# Altium PCB LimePSB-RPCM_1v2.PcbDoc (part 8 of 10) (continued)
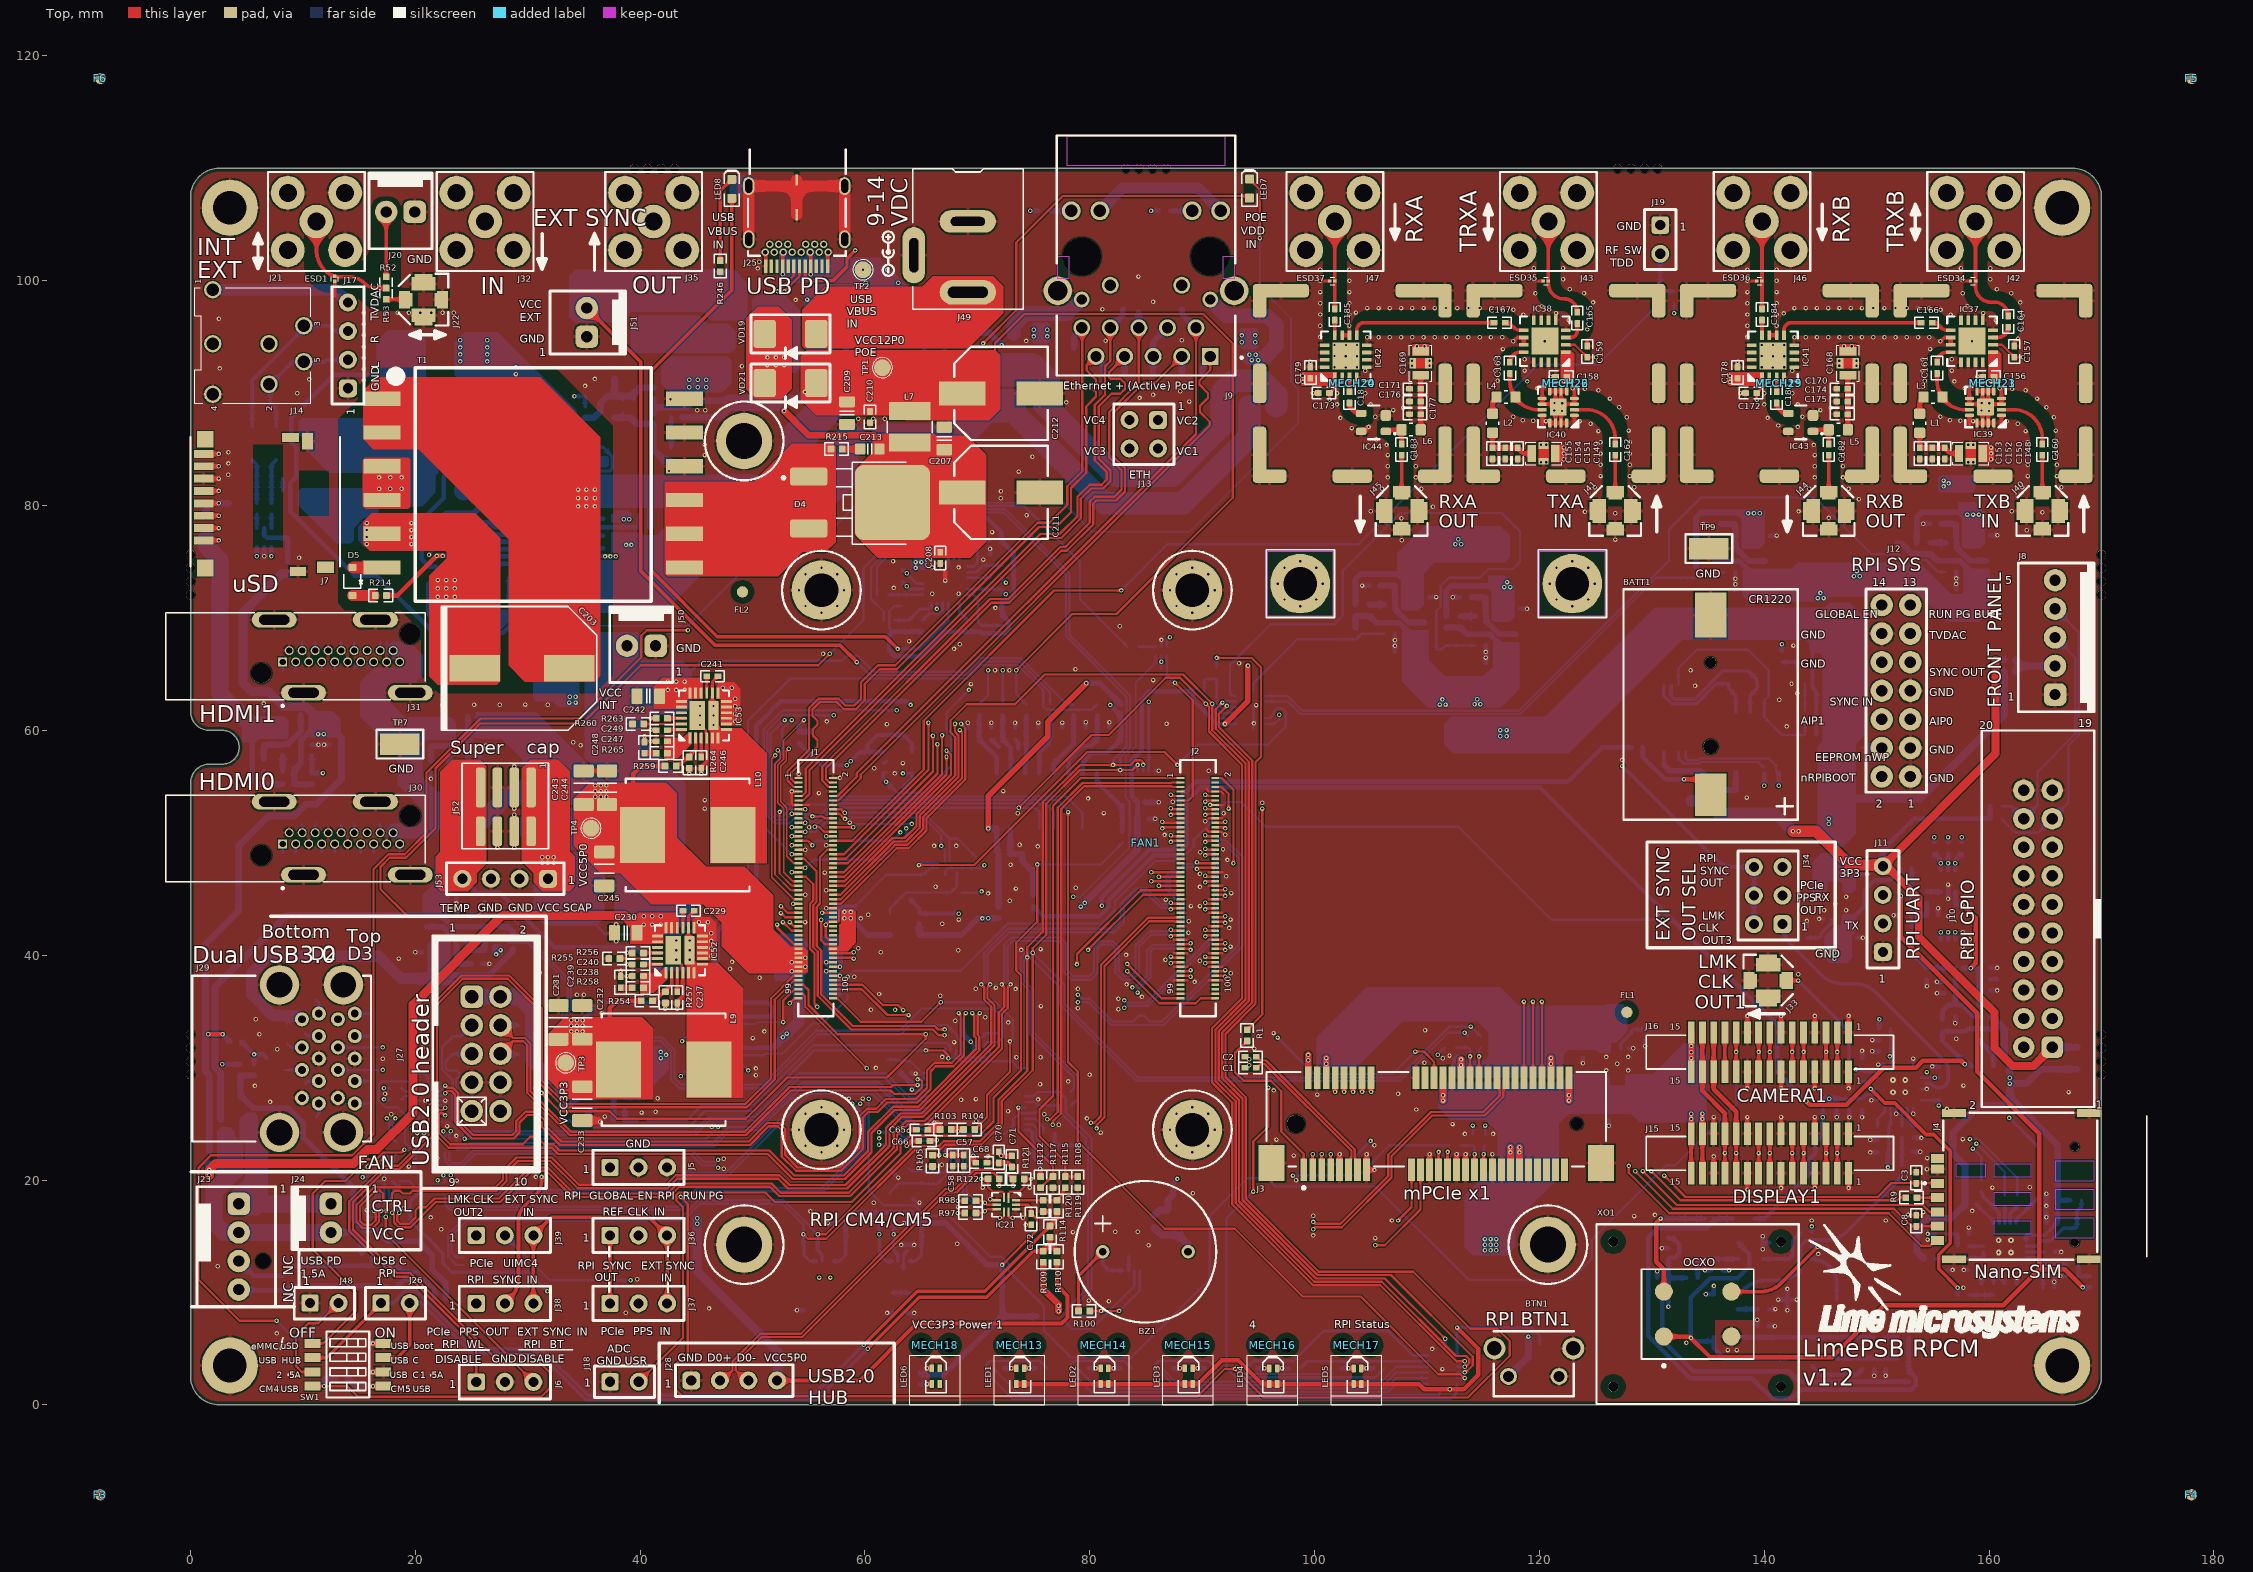
[diagram p0: Top view]
## Nets (pads, with @x,y where several pads share a name; then routed paths per layer and width w, separated by ;. In a path a pad name is that pad's centre, name@x,y a point inside that pad or via, vN(x,y) a via of type N, cw(c..) or ccw(c..) an arc to the next point about the centre after c; other vN are vias at no path point) (continued)
  Bottom w0.6: FR7.1@154.2,13 153.575,13.625 153.575,15.625 154.55,16.6 156.624,16.6 R168.2@157.864,17.84 157.864,21.311 156.8,22.375 156.8,24.25 159.175,26.625 161.1,26.625 161.85,27.375 ; FR8.2@160.199,34.574 161.375,33.398 161.375,30.838 161.85,30.363 v1(161.85,29.106) v1(161.85,28.581) ; C122.2@166.1,18.2 166.1,23.125 161.85,27.375 ; FR15.2@167.85,29.85 164.6,29.85 163.331,28.581 v1(161.85,28.581) ; 161.85,27.375 v1(161.85,28.581)
VCC3P3_LMK: C105.2 C106.2 C107.2 C108.2 FR5.2 IC31.8 IC31.23 R147.2 | length 19
  L3 w0.5: v1(151,21.125) 151,23.025 150.475,23.55 150.475,29.625 151.175,30.325 v1(151.175,31)
  Bottom w0.25: C106.2@151.075,22.45 C107.2@151.075,23.575 R147.2@151.075,24.75 151.25,24.925 IC31.23@151.25,26.425 ; IC31.8@151.25,30.275 151.25,31 C108.2@151.25,31.45 C105.2@151.25,32.45 FR5.2@151.25,33.5
  Bottom w0.4: v1(151,21.125) C106.2@151,22.45
VCC3P3_LMK_VDDO: C112.2 C113.2 C114.2 C115.2 C116.2 C117.2 FR6.2 IC31.2 IC31.6 IC31.14 IC31.18 | length 25.6
  L3 w0.5: v1(145.787,27.225) 145.787,27.487 v1(148.15,29.85) 149.124,30.824 149.874,30.824 150.65,31.6 151.425,31.6 154.25,28.775 154.849,28.775 ; v1(155.175,29.101) 154.849,28.775 ; v1(155.525,26.626) 155.525,28.099 154.849,28.775
  Bottom w0.25: C112.2@146.45,27.225 C113.2@147.575,27.225 C115.2@148.7,27.225 148.7,27.275 148.825,27.4 148.875,27.4 149.075,27.6 IC31.2@150.075,27.6 ; C117.2@148.825,29.675 148.896,29.675 148.971,29.6 IC31.6@150.075,29.6 ; IC31.18@153.925,27.1 C116.2@155.6,27.1 ; IC31.14@153.925,29.1 C114.2@155.575,29.1
  Bottom w0.4: v1(148.15,29.85) C117.2@148.625,29.85 ; v1(155.525,26.626) C116.2@155.525,27.1
  Bottom w0.6: FR6.2@145.275,27.225 145.862,27.225 C112.2@146.45,27.225
VCC3P3_RPI: C7.2 J1.84 J1.86 R6.1 | length 1.2
  Top w0.2: v1(56.555,39.375) J1.84@57.165,39.375 ; J1.86@57.165,38.975 v1(57.775,38.975)
VCC3P3_SD: C21.1 FR1.2 IC6.6 R20.1 R24.2 | length 28.2
  Bottom w0.5: 5.012,59.675 IC6.6@8.2,59.675 ; 5.485,59.373 5.485,55.673 5.945,55.213 R20.1@8.2,55.213
  Bottom w1.5: FR1.2@1.375,77.05 1.375,76.425 2.625,75.175 2.625,63.225 5.5,60.35
VCC3P3A: C32.2 C38.2 C39.2 FR3.2 IC8.16 R45.2 R46.1 | length 28.2
  Top w0.5: v1(70.963,51.277) 70.963,54.15 76.25,59.437 76.25,60.75 v1(79.686,64.186)
  Bottom w0.5: v1(70.963,51.277) IC8.16@71.713,51.277 71.713,49.173 R45.2@71.876,49.01 C32.2@71.876,45.46 FR3.2@71.876,44.285 ; v1(79.686,64.186) 80.9,64.186 R46.1@82.751,62.335
VCC5P0: C4.2 C5.2 C19.1 C55.1 C75.1 C78.2 C80.1 C83.2 C84.1 C88.2 C243.2 C244.2 C245.2 FR9.1 FR10.1 FR14.1 IC5.1 IC5.5 IC19.1 IC19.5 IC24.1 IC25.1 IC28.1 J1.77 J1.79 J1.81 J1.83 J1.85 J1.87 J10.2 J10.4 J28.4 L10.2 R17.1 R77.1 R90.2 R91.2 R110.2 R125.2 R126.2 R133.2 R134.2 R140.2 R141.2 R143.1 R259.2 TP4.1 VD9.A | length 256.7
  Top w0.2: 38.05,49.175 38.05,52.95 ; v1(53.475,38.575) J1.87@54.085,38.575 ; v1(53.475,39.375) J1.83@54.085,39.375 ; J1.85@54.085,38.975 v1(54.695,38.975) ; J1.81@54.085,39.775 v1(54.695,39.775)
  Top w0.35: J28.4@52.173,1.938 52.398,2.163 59.538,2.163 64.6,7.225 77.5,7.225 78.025,7.75 78.025,9.7 77.075,10.65 R110.2@77.075,12.675
  Top w0.4: 39.4,54.95 39.4,56.15 40.073,56.823 42.209,56.823 R259.2@42.223,56.823 ; 54.085,38.675 J1.83@54.085,39.375 J1.81@54.085,39.775 54.085,40.45
  Top w0.7: C243.2@35.175,53.4 35.188,53.388 37.287,53.388 37.3,53.375 37.625,53.375 38.05,52.95 38.15,52.85 38.55,52.85 40.2,51.2 L10.2@40.2,50.7
  L3 w0.8: v1(45.075,16.1) v1(45.075,16.6) 45.075,26.625 49.775,31.325 51.35,31.325 v1(53.05,33.025) ; v1(145.75,52.15) v1(145.75,51.7) 145.75,47.925 148,45.675 148,40.175 151.15,37.025 152.625,37.025 154.275,35.375 158.2,35.375 159.125,34.45 162.99,34.45 J10.4@163.08,34.36 J10.2@163.08,31.82
  L4 w1.7: v1@42.2,31.1 45.55,31.1 53.825,39.375 54.2,39.375
  Bottom w0.3: C55.1@144.285,67.55 IC19.5@144.285,66.08 IC19.1@144.285,64.15 144.285,63.83 144.625,63.49 R91.2@144.625,62.8 R90.2@144.625,59.6
  Bottom w0.35: IC5.5@48.06,31.76 C19.1@51.8,31.76
  Bottom w0.5: C83.2@21.01,43.53 IC25.1@22.708,43.53 ; C80.1@22.71,45.115 22.71,43.13 22.719,43.13 23.309,42.54 26.743,42.54 27.158,42.955 ; R141.2@25.675,55.338 25.45,55.113 R140.2@24.075,55.113 R143.1@24.075,56.338 24.685,56.948 24.685,58.974 25.275,59.564 25.275,59.573 C84.1@27.26,59.573 ; IC28.1@25.675,59.575 C88.2@25.675,61.273 ; R134.2@27.158,43.53 27.158,42.955 ; R133.2@28.683,41.58 28.683,42.105 28.258,42.53 27.583,42.53 27.158,42.955 ; R126.2@37.625,25.329 37.625,27.676 38.225,28.276 38.225,28.285 C75.1@40.21,28.285 ; IC24.1@38.625,28.287 C78.2@38.625,29.985
  Bottom w0.6: R77.1@2.675,25.375 2.675,29.525 2.175,30.025 2.175,37.175 8.53,43.53 C83.2@21.01,43.53 ; C19.1@51.8,31.76 v1@52.8,32.76
  Bottom w0.7: 147.575,53.95 153.889,53.95 161.332,61.393 R17.1@161.332,65.182
  Bottom w0.8: v1(45.075,16.6) v1(45.075,16.1) 45.075,11.9 52.243,4.732 J28.4@52.243,2.232
  Bottom w1: v1@52.8,32.76 54.1,34.06 54.1,38.525
  Bottom w1.5: 22.3,45.525 22.4,45.625 22.4,48.375 28.175,54.15 30.025,54.15 31.575,55.7
  other v1: 41.825,30.85 42.3,31.125 41.825,31.4 52.7,32.7 36,54.1 36.5,54.1 37,54.1 36,54.6 36.5,54.6 37,54.6 36,55.1 36.5,55.1 37,55.1 116.525,59.475 117.075,59.475 116.525,60.025 117.075,60.025
VCC5P0_HDMI: C85.1 C86.1 C87.1 IC28.6 J30.18 J31.18 R140.1 R142.2 | length 9.4
  Bottom w0.5: 19.887,59.575 IC28.6@23.075,59.575 ; 20.36,59.273 20.36,55.573 20.82,55.113
  Bottom w0.6: 21.787,53.825 R140.1@23.075,55.113
VCC5P0_RFA: C158.1 C179.1 C188.1 C189.1 C196.2 C197.2 C198.2 C200.1 FR9.2 IC38.1 IC42.1 IC47.1 IC48.1 R189.2 R190.2 R193.1 R194.1 R207.1 R208.1 | length 99.9
  Top w0.325: C179.1@99.625,91.328 99.712,91.415 IC42.1@101.8,91.415
  L3 w2: 98.425,91.075 98.425,83.125 105.7,75.85 105.7,66.975 110.175,62.5 111.4,62.5 ; 114.475,62.55 120.25,62.55 129.975,72.275 129.975,88.7 126.9,91.775 122.55,91.775
  Bottom w0.5: R194.1@103.65,69.1 cw(c103.679,69.129) 103.638,69.129 R190.2@103.638,70.2 R208.1@104.863,70.2 105.473,69.59 107.499,69.59 108.089,69 108.098,69 C189.1@108.098,67.015 ; IC48.1@108.1,68.6 C197.2@109.798,68.6 ; R189.2@111.715,69.16 R207.1@112.94,69.16 113.55,68.55 115.576,68.55 116.166,67.96 116.175,67.96 C188.1@116.175,65.975 ; IC47.1@116.177,67.56 C196.2@117.875,67.56
  other v1: 111.125,62.3 111.65,62.3 114.225,62.325 114.75,62.325 111.375,62.75 114.475,62.775 98.95,91 122.215,91.05 122.765,91.05 98.95,91.55
VCC5P0_RFB: C156.1 C178.1 C186.1 C187.1 C194.2 C195.2 C199.2 C201.1 FR10.2 IC37.1 IC41.1 IC45.1 IC46.1 R187.2 R188.2 R191.1 R192.1 R205.1 R206.1 | length 86.9
  Top w0.325: C178.1@137.625,91.328 137.712,91.415 IC41.1@139.8,91.415
  L3 w2: 136.425,91.075 136.425,76.525 140.975,71.975 145.025,71.975 ; 148.25,73.9 148.375,74.025 150.2,75.85 163.85,75.85 167.975,79.975 167.975,87.875 164.1,91.75 160.55,91.75
  Bottom w0.5: R192.1@133.925,74.575 R188.2@133.925,75.673 R206.1@135.15,75.673 135.76,75.062 137.786,75.062 138.376,74.472 138.385,74.472 C187.1@138.385,72.488 ; IC46.1@138.387,74.072 C195.2@140.085,74.072 ; R191.1@151.85,76.7 151.9,76.65 152.225,76.65 153.125,75.75 153.513,75.75 R187.2@153.563,75.7 R205.1@154.788,75.7 155.398,75.09 157.424,75.09 158.014,74.5 158.023,74.5 C186.1@158.023,72.515 ; IC45.1@158.025,74.1 C194.2@159.723,74.1
  other v1: 144.75,71.775 145.275,71.775 145,72.225 147.975,73.725 148.5,73.725 148.225,74.175 136.95,91 160.215,91.05 160.765,91.05 136.95,91.55
VCC5P0_RXA_LNA: C169.1 C193.1 IC48.6 R190.1 R196.1 R199.2 | length 26.6
  L3 w2: 111.775,93.175 112.775,92.175 112.775,76.75
  Bottom w0.5: R190.1@103.638,71.2 103.638,73.455 104.098,73.915 107.798,73.915 ; IC48.6@108.1,71.2 108.1,74.388
  other v1: 112.525,76.55 113.05,76.55 112.775,77 109.1,94.175 109.78,94.175
VCC5P0_RXB_LNA: C168.1 C191.1 IC46.6 R188.1 R195.1 R198.2 | length 42.6
  L3 w2: v1(139.085,79.325) 139.085,77.415 140.475,76.025 145.825,76.025 150.775,80.975 ; 149.775,93.175 150.775,92.175 150.775,80.975 ; 155.825,81.975 154.825,81.975 153.825,80.975 150.775,80.975
  Bottom w0.5: R188.1@133.925,76.672 133.925,78.928 134.385,79.387 138.085,79.387 ; IC46.6@138.387,76.672 R198.2@138.387,78.36
  other v1: 138.56,79.325 139.61,79.325 155.95,81.7 156.4,81.975 155.95,82.225 147.1,94.175 147.78,94.175
VCC5P0_TXA_PA: C149.1 C192.1 IC47.6 R189.1 R196.2 R200.2 | length 24.1
  L3 w2: 117.15,72.925 117.15,76.475 122.175,81.5 v1(122.175,84.112) v1(122.175,84.637) v1(122.175,85.162)
  Bottom w0.5: R189.1@111.715,70.16 111.715,72.415 112.175,72.875 115.875,72.875 ; IC47.6@116.177,70.16 R196.2@116.177,73.348
  other v1: 116.875,72.75 117.4,72.75 117.125,73.2
VCC5P0_TXB_PA: C148.1 C190.1 IC45.6 R187.1 R195.2 R197.2 | length 16.2
  L3 w2: 158.575,79.425 158.575,80.3 160.175,81.9 v1(160.175,84.112) v1(160.175,84.637) v1(160.175,85.162)
  Bottom w0.5: R187.1@153.563,76.7 153.563,78.955 154.023,79.415 157.723,79.415 ; IC45.6@158.025,76.7 R197.2@158.025,78.388 R195.2@158.025,79.888
  other v1: 158.05,79.2 158.575,79.2 159.1,79.2
VCC5P0_USBH: C74.2 C76.1 C77.2 IC24.6 J27.1 J27.2 R125.1 R128.2 | length 13.7
  Bottom w1.2: J27.1@25.029,36.311 29.039,36.311 30.35,35 30.35,30.65 31.85,29.15 C74.2@33.175,29.15
VCC5P0_USBS: C79.2 C81.1 C82.2 IC25.6 J29.1 J29.10 R133.1 R136.2 | length 40.6
  L3 w0.7: J29.1@9.91,34.3 9.91,35.11 10.825,36.025 11.824,36.025 13.005,34.844 13.005,34.405 J29.10@13.11,34.3
  Bottom w0.5: C82.2@22.708,37.742 IC25.6@22.708,40.93 ; 23.01,38.215 26.543,38.215 28.683,40.355 R133.1@28.683,40.58
  Bottom w1: J29.1@9.91,34.3 9.842,34.3 9.548,34.594 7.931,34.594 7.875,34.65 7.307,34.65 5.45,36.507 5.45,38.4 6.95,39.9 16.75,39.9 18.725,37.925 C82.2@22,37.925
VCC12P0_POE: C209.2 C210.1 C212.1 L7.2 R56.1 R226.1 R227.1 TP1.1 VD21.A | length 82.5
  Top w0.2: 71.575,93.325 71.575,94.45 74.175,97.05 90.1,97.05 92.725,94.425 92.725,80.7 82.375,70.35 78.45,70.35 v1(73.45,65.35)
  Bottom w0.2: v1(73.45,65.35) 73.45,63.236 R56.1@74.351,62.335
  Bottom w0.6: R226.1@41.155,88.247 41.155,88.747 ; R227.1@41.155,89.47 41.155,88.747 ; v1(54.663,90.113) 54.15,89.6 47.8,89.6 47.525,89.325 44.73,89.325 44.153,88.747 41.155,88.747
VCC12P0_POE_DIV: C43.1 IC8.3 R56.2 R62.2 | length 5.2
  Bottom w0.4: IC8.3@74.253,56.177 74.253,57.158 74.351,57.256 C43.1@74.351,59.185 R62.2@74.351,60.235 R56.2@74.351,61.335
VCC_BARREL: J49.1 R54.1 VD19.A | length 40.5
  L4 w0.2: J49.1@69.15,98.975 70.85,98.975 73.075,96.75 73.075,77.15 70.95,75.025 v1(70.95,65.35)
  Bottom w0.2: R54.1@70.151,62.335 70.95,63.134 v1(70.95,65.35)
VCC_BARREL_DIV: C41.1 IC8.1 R54.2 R60.2 | length 5.8
  Bottom w0.4: R54.2@70.151,61.335 R60.2@70.151,60.235 C41.1@70.151,59.185 70.201,59.185 70.251,59.135 70.251,59.085 71.713,57.623 IC8.1@71.713,56.177
VCC_EXT: C236.1 F1.1 J51.2 R57.1 R253.2 VD22.K | length 68.3
  Top w0.35: J51.2@35.25,97.571 40.05,92.771 40.05,74.2 46.675,67.575 57.775,67.575 v1(59.275,66.075)
  Bottom w0.2: v1(59.275,66.075) 60.425,64.925 69.001,64.925 70.201,66.125 73.725,66.125 76.451,63.399 R57.1@76.451,62.335
VCC_EXT_DIV: C44.1 IC8.4 R57.2 R63.2 | length 5.6
  Bottom w0.4: IC8.4@75.523,56.177 75.523,58.023 76.351,58.851 76.351,59.135 76.401,59.185 C44.1@76.451,59.185 R63.2@76.451,60.235 R57.2@76.451,61.335
VCC_FAN: C50.1 C52.1 J23.2 J24.2 R69.1 R75.2 R77.2 R80.2 | length 27.3
  Bottom w0.5: 2.675,23.825 R75.2@2.675,22.578 R80.2@2.675,21.325 3.125,21.325 C50.1@4.375,21.325 ; J24.2@12.491,15.338 14.437,15.338 15.2,14.575 15.2,14.525 C52.1@15.25,14.525 R69.1@15.25,13.475
  Bottom w1.5: 3.125,23.925 3.125,22.578 3.125,21.325 3.125,20.025 2.1,19 2.1,16.225 2.987,15.338 J23.2@4.287,15.338 J24.2@12.491,15.338
VCC_INT: C230.2 C234.2 C235.1 C242.2 F2.1 FR13.2 IC52.16 IC52.17 IC52.18 IC52.19 IC52.20 IC53.16 IC53.17 IC53.18 IC53.19 IC53.20 J50.2 L8.2 R58.1 R80.1 | length 98.1
  Top w0.2: C230.2@40.2,42.35 40.387,42.163 40.85,41.7 IC52.19@41.55,41.7 ; 42.325,63.225 42.513,63.038 42.975,62.575 IC53.19@43.675,62.575
  Top w0.25: C230.2@39.236,41.656 39.236,41.99 39.236,42.086 C230.2@39.6,42.45 ; C242.2@41.361,62.531 41.361,62.961 C242.2@41.725,63.325
  Top w0.8: v1(1.675,20.425) v1(1.675,20.9) 2.25,21.475 14.5,21.475 15.744,22.719 16.569,22.719 19.8,25.95 19.8,35.6 27.75,43.55 38.6,43.55 39.612,42.538 39.612,42.09 C230.2@39.712,41.99
  Bottom w0.2: 44.35,65.1 45.45,66.2 57.95,66.2 58.4,66.65 59.325,66.65 60.75,65.225 68.876,65.225 70.076,66.425 73.86,66.425 77.95,62.335 R58.1@78.551,62.335
  Bottom w0.8: v1(1.675,20.425) v1(1.675,20.9) R80.1@1.675,21.325
  other v1: 40.329,42.724 41.079,42.724 41.829,42.724 40.329,43.474 41.079,43.474 41.829,43.474 42.454,63.599 43.205,63.599 43.955,63.599 42.455,64.349 43.205,64.349 43.955,64.349 44.375,90.525 45.125,90.525 45.875,90.525 44.375,91.2 45.125,91.2 45.875,91.2
VCC_INT_DIV: C45.1 IC8.5 R58.2 R64.2 | length 5.9
  Bottom w0.4: IC8.5@76.793,56.177 76.793,57.068 78.551,58.826 R58.2@78.551,61.335
VCC_SCAP: J52.1 J53.1 R59.1 R261.2 R262.2 VD23.A | length 67.8
  Bottom w0.2: 35.739,44.03 35.739,43.036 36.925,41.85 43.6,41.85 43.85,42.1 45.85,42.1 49.6,45.85 49.6,60.85 53.375,64.625 69.125,64.625 70.325,65.825 73.601,65.825 75.85,63.576 75.85,62.088 76.103,61.835 80.151,61.835 R59.1@80.651,62.335
  other v1: 31.3,48.225 31.8,48.225 32.3,48.225 31.3,48.725 31.8,48.725 32.3,48.725
VCC_SCAP_DIV: C46.1 IC8.6 R59.2 R65.2 | length 6.7
  Bottom w0.4: IC8.6@78.063,56.177 78.12,56.235 78.12,57.445 79.3,58.625 80.091,58.625 80.551,59.085 80.551,59.135 80.601,59.185 C46.1@80.651,59.185 R59.2@80.651,61.335
VCC_USB_PD: C222.2 IC50.5 IC50.6 IC51.11 R55.1 VD20.A | length 47.9
  L3 w0.25: v1(54.85,98.325) 60.15,93.025 60.15,85.35 61.825,83.675 61.825,72.6 63.621,70.804 v1(66.4,70.804)
  L4 w0.25: v1(66.4,70.804) 66.4,67.775 69.4,64.775 71.675,64.775 v1(72.251,65.351)
  Bottom w0.25: v1(66.4,70.804) IC51.11@66.4,71.359 ; R55.1@72.251,62.335 v1(72.251,65.351)
VCC_USB_PD_DIV: C42.1 IC8.2 R55.2 R61.2 | length 5.5
  Bottom w0.4: R55.2@72.251,61.335 R61.2@72.251,60.235 C42.1@72.251,59.185 72.301,59.185 72.351,59.135 72.351,59.085 72.983,58.453 IC8.2@72.983,56.177
XO_VC: R162.1 R167.2 XO1.1 XO2.1 XO3.1 XO4.1 XO5.1 | length 104.1
  Top w0.4: XO1.1@131.075,6.075 133.35,6.075 v1(133.475,5.95) 135.175,4.25 146.05,4.25 150.65,8.85 161.275,8.85 164.475,12.05 ; v1(152.14,45.295) 152.14,41.64 158.95,34.831 158.95,29.65 164.475,24.125 164.475,12.05 ; v1(168.325,10.45) 166.725,12.05 164.475,12.05
  Bottom w0.4: XO4.1@135.525,5.65 133.775,5.65 v1(133.475,5.95) 133.475,9.55 135.2,11.275 137.625,11.275 138.65,12.3 138.65,13.45 XO5.1@137.675,14.425 ; XO4.1@135.525,6 135.525,5.025 136.385,4.165 XO2.1@142.064,4.165 ; R162.1@152.14,44.659 v1(152.14,45.295) ; v1(168.325,10.45) R167.2@168.999,10.45
pads on no net: BATT1.MECH C1.0 C2.0 C3.0 C4.0 C5.0 C6.0 C7.0 C8.0 C9.0 C10.0 C11.0 C12.0 C13.0 C14.0 C15.0 C16.0 C17.0 C18.0 C19.0 C20.0 C21.0 C22.0 C23.0 C24.0 C25.0 C26.0 C27.0 C28.0 C29.0 C30.0 C31.0 C32.0 C33.0 C34.0 C35.0 C36.0 C37.0 C38.0 C39.0 C40.0 C41.0 C42.0 C43.0 C44.0 C45.0 C46.0 C47.0 C48.0 C49.0 C50.0 C51.0 C52.0 C53.0 C54.0 C55.0 C56.0 C57.0 C58.0 C59.0 C60.0 C61.0 C62.0 C63.0 C64.0 C65.0 C66.0 C67.0 C68.0 C69.0 C70.0 C71.0 C72.0 C73.0 C74.0 C75.0 C76.0 C77.0 C78.0 C79.0 C80.0 C81.0 C82.0 C83.0 C84.0 C85.0 C86.0 C87.0 C88.0 C89.0 C90.0 C91.0 C92.0 C93.0 C94.0 C95.0 C96.0 C97.0 C98.0 C99.0 C100.0 C101.0 C102.0 C103.0 C104.0 C105.0 C106.0 C107.0 C108.0 C109.0 C110.0 C111.0 C112.0 C113.0 C114.0 C115.0 C116.0 C117.0 C118.0 C119.0 C120.0 C121.0 C122.0 C123.0 C124.0 C125.0 C126.0 C127.0 C128.0 C129.0 C130.0 C131.0 C132.0 C133.0 C134.0 C135.0 C136.0 C137.0 C138.0 C139.0 C140.0 C141.0 C142.0 C143.0 C144.0 C145.0 C146.0 C147.0 C150.0 C151.0 C152.0 C153.0 C154.0 C155.0 C156.0 C157.0 C158.0 C159.0 C160.0 C161.0 C162.0 C163.0 C164.0 C165.0 C166.0 C167.0 C170.0 C171.0 C172.0 C173.0 C174.0 C175.0 C176.0 C177.0 C178.0 C179.0 C180.0 C181.0 C182.0 C183.0 C184.0 C185.0 C186.0 C187.0 C188.0 C189.0 C190.0 C191.0 C192.0 C193.0 C194.0 C195.0 C196.0 C197.0 C198.0 C199.0 C200.0 C201.0 C202.0 C204.0 C205.0 C206.0 C207.0 C208.0 C209.0 C210.0 C213.0 C214.0 C215.0 C216.0 C217.0 C218.0 C219.0 C220.0 C221.0 C222.0 C223.0 C224.0 C225.0 C226.0 C227.0 C228.0 C229.0 C230.0 C231.0 C232.0 C233.0 C234.0 C235.0 C236.0 C237.0 C238.0 C239.0 C240.0 C241.0 C242.0 C243.0 C244.0 C245.0 C246.0 C247.0 C248.0 C249.0 C250.0 C251.0 C252.0 C253.0 C254.0 C255.0 D1.0 D2.0 D3.0 D4.0 D5.0 D6.0 D7.0 D8.0 D8.2 D9.0 F1.0 F2.0 F3.1 F4.1 F5.1 F6.1 F7.1 F8.1 F9.1 F10.1 FL1.1 FL2.1 FL3.1 FL4.1 FR1.0 FR2.0 FR3.0 FR4.0 FR5.0 FR6.0 FR7.0 FR8.0 FR9.0 FR10.0 FR11.0 FR12.0 FR13.0 FR14.0 FR15.0 IC2.0 IC4.0 IC6.0 IC7.0 IC9.9 IC12.7 IC12.8 IC13.1 IC13.2 IC13.3 IC13.7 IC14.1 IC14.2 IC14.3 IC14.7 IC14.PAD IC16.7 IC17.4 IC17.5 IC17.9 IC18.7 IC20.14 IC20.15 IC20.16 IC20.17 IC20.18 IC20.23 IC20.28 IC20.29 IC20.30 IC20.31 IC20.32 IC20.33 IC20.34 IC20.36 IC20.37 IC20.38 IC20.39 IC20.47 IC20.48 IC20.49 IC20.50 IC20.51 IC20.53 IC20.54 IC20.55 IC20.56 IC24.0 IC25.0 IC28.0 IC29.10 IC29.11 IC29.15 IC29.16 IC30.10 IC30.11 IC30.15 IC30.16 IC31.4 IC31.9 IC31.10 IC31.17 IC32.0 IC32.4 IC35.6 IC37.PAD IC38.PAD IC41.PAD IC42.PAD IC45.0 IC46.0 IC47.0 IC48.0 IC51.4 IC51.8 IC51.16 IC51.17 IC51.20 IC51.21 IC52.21 IC53.21 IC54.2 IC54.6 IC54.7 IC55.0 IC56.2 IC56.6 IC56.7 J1.19 J1.64 J1.68 J1.70 J1.72 J1.73 J2.4 J2.33 J2.35 J2.39 J2.41 J2.93 J2.94 J2.95 J2.96 J3. J3.20 J3.45 J3.47 J3.49 J3.51 J3.MH1 J3.MH2 J4. J4.CD J7.9 J7.10 J7.11 J7.14 J9. J14.6 J14.7 J23.0 J25.A2 J25.A3 J25.A8 J25.A10 J25.A11 J25.B2 J25.B3 J25.B8 J25.B10 J25.B11 J27.9 J27.10 J30. J30.14 J31. J31.14 L1.0 L2.0 L3.0 L4.0 L5.0 L6.0 LED1.0 LED2.0 LED3.0 LED4.0 LED5.0 LED6.0 LED6.2 LED6.4 LED7.0 LED8.0 MECH13.0 MECH14.0 MECH15.0 MECH16.0 MECH17.0 MECH18.0 R1.0 R2.0 R3.0 R4.0 R5.0 R6.0 R7.0 R8.0 R9.0 R10.0 R11.0 R12.0 R13.0 R14.0 R15.0 R16.0 R17.0 R18.0 R19.0 R20.0 R21.0 R22.0 R23.0 R24.0 R25.0 R26.0 R27.0 R28.0 R29.0 R30.0 R31.0 R32.0 R33.0 R34.0 R35.0 R36.0 R37.0 R38.0 R39.0 R40.0 R41.0 R42.0 R43.0 R44.0 R45.0 R46.0 R47.0 R48.0 R49.0 R50.0 R51.0 R52.0 R53.0 R54.0 R55.0 R56.0 R57.0 R58.0 R59.0 R60.0 R61.0 R62.0 R63.0 R64.0 R65.0 R66.0 R67.0 R68.0 R69.0 R70.0 R71.0 R72.0 R73.0 R74.0 R75.0 R76.0 R77.0 R78.0 R79.0 R80.0 R81.0 R82.0 R83.0 R84.0 R85.0 R86.0 R87.0 R88.0 R89.0 R90.0 R91.0 R92.0 R93.0 R94.0 R95.0 R96.0 R97.0 R98.0 R99.0 R100.0 R101.0 R102.0 R103.0 R104.0 R105.0 R106.0 R107.0 R108.0 R109.0 R110.0 R111.0 R112.0 R113.0 R114.0 R115.0 R116.0 R117.0 R118.0 R119.0 R120.0 R121.0 R122.0 R123.0 R124.0 R125.0 R126.0 R127.0 R128.0 R129.0 R130.0 R131.0 R132.0 R133.0 R134.0 R135.0 R136.0 R137.0 R138.0 R139.0 R140.0 R141.0 R142.0 R143.0 R144.0 R145.0 R146.0 R147.0 R148.0 R149.0 R150.0 R151.0 R152.0 R153.0 R154.0 R155.0 R156.0 R157.0 R158.0 R159.0 R160.0 R161.0 R162.0 R163.0 R164.0 R165.0 R166.0 R167.0 R168.0 R169.0 R170.0 R171.0 R172.0 R173.0 R174.0 R175.0 R176.0 R177.0 R178.0 R179.0 R180.0 R181.0 R182.0 R183.0 R184.0 R185.0 R186.0 R187.0 R188.0 R189.0 R190.0 R191.0 R192.0 R193.0 R194.0 R195.0 R196.0 R197.0 R198.0 R199.0 R200.0 R201.0 R202.0 R203.0 R204.0 R205.0 R206.0 R207.0 R208.0 R209.0 R210.0 R211.0 R212.0 R213.0 R214.0 R215.0 R216.0 R217.0 R218.0 R219.0 R220.0 R221.0 R222.0 R224.0 R225.0 R226.0 R227.0 R228.0 R229.0 R230.0 R232.0 R233.0 R234.0 R235.0 R236.0 R237.0 R238.0 R239.0 R240.0 R241.0 R242.0 R243.0 R244.0 R245.0 R246.0 R247.0 R248.0 R249.0 R250.0 R251.0 R252.0 R253.0 R254.0 R255.0 R256.0 R257.0 R258.0 R259.0 R260.0 R261.0 R262.0 R263.0 R264.0 R265.0 R266.0 R267.0 R268.0 R269.0 R270.0 R271.0 R272.0 VD1.0 VD2.0 VD3.0 VD4.0 VD5.0 VD6.0 VD7.0 VD8.0 VD9.0 VD10.0 VD11.0 VD12.0 VD13.0 VD14.0 VD15.0 VD16.0 VD17.0 VD19.0 VD20.0 VD21.0 VD23.0 VT1.0 VT2.0 VT4.0 XO1.0 XO2.3 XO4.2 XO4.3 XO4.5 XO4.8 XO4.10 XT2.0
copper on no net:
  other v1: 55.925,11.325 56.925,11.325 98.725,71.05 122.925,71.05 97.311,71.636 100.139,71.636 121.511,71.636 124.339,71.636 96.725,73.05 100.725,73.05 120.925,73.05 124.925,73.05 97.311,74.464 100.139,74.464 121.511,74.464 124.339,74.464 98.725,75.05 122.925,75.05 118.925,91.05 101.775,92.3 102.765,92.29 103.775,92.3 139.775,92.3 140.765,92.29 141.775,92.3 102.775,93.29 103.775,93.28 140.775,93.29 141.775,93.28 101.775,93.3 139.775,93.3 101.775,94.28 103.775,94.28 139.775,94.28 141.775,94.28 102.785,94.29 140.785,94.29 120.475,94.625 158.475,94.625

## Polygon pours and split planes (outlines as drawn)
GND on L5 "GND_L05_P008" (solid, remove dead copper, pour order 8): -0.075,28.25 cw(c0,28.25) -0.075,28.251 -0.075,34.075 cw(c0,34.075) -0.075,34.076 -0.075,70.925 -0.075,76.75 cw(c0,76.75) -0.075,76.751 -0.075,107.46 cw(c2.54,107.46) 2.54,110.075 167.46,110.075 cw(c167.46,107.46) 170.075,107.46 170.075,76.75 cw(c170,76.75) 170.075,76.749 170.075,70.925 cw(c170,70.925) 170.075,70.925 ccw(c170,70.925) 170.075,70.926 170.075,70.925 170.075,34.076 170.075,34.075 ccw(c170,34.075) 170.075,34.076 170.075,34.075 170.075,28.25 cw(c170,28.25) 170.075,28.249 170.075,28.25 ccw(c170,28.25) 170.075,28.25 170.075,2.54 cw(c167.46,2.54) 167.46,-0.075 2.54,-0.075 cw(c2.54,2.54) -0.075,2.54
GNDE2 on L5 "GNDE2_L05_P000" (solid, remove dead copper, pour order 0): 10.625,88.825 10.625,80.4 22.175,68.85 36.125,68.85 38.25,70.975 38.25,84.55 27,95.8 17.45,95.8 16.25,94.6 16.25,90.25 15.15,89.15 10.95,89.15
GND on L4 "GND_L04_P007" (solid, remove dead copper, pour order 7): -0.075,28.25 cw(c0,28.25) -0.075,28.251 -0.075,34.075 cw(c0,34.075) -0.075,34.076 -0.075,70.925 -0.075,76.75 cw(c0,76.75) -0.075,76.751 -0.075,107.46 cw(c2.54,107.46) 2.54,110.075 167.46,110.075 cw(c167.46,107.46) 170.075,107.46 170.075,76.75 cw(c170,76.75) 170.075,76.749 170.075,70.925 cw(c170,70.925) 170.075,70.925 ccw(c170,70.925) 170.075,70.926 170.075,70.925 170.075,34.076 170.075,34.075 ccw(c170,34.075) 170.075,34.076 170.075,34.075 170.075,28.25 cw(c170,28.25) 170.075,28.249 170.075,28.25 ccw(c170,28.25) 170.075,28.25 170.075,2.54 cw(c167.46,2.54) 167.46,-0.075 2.54,-0.075 cw(c2.54,2.54) -0.075,2.54
VCC5P0 on L4 "VCC5P0_L04_P004" (solid, remove dead copper, pour order 4): 35.675,55.425 37.85,57.6 47.1,57.6 54.55,65.05 105.85,65.05 109.525,61.375 116.15,61.375 117.325,60.2 117.325,57.1 116.2,55.975 65.35,55.975 63.225,58.1 57.6,58.1 50.875,51.375 38,51.375 35.675,53.7
VCC_INT on L4 "VCC_INT_L04_P002" (solid, remove dead copper, pour order 2): 45.75,62.75 49.05,66.05 49.05,80.45 45.575,83.925 45.575,85.975 46.3,86.7 46.3,91.45 45,92.75 39.5,92.75 37.625,90.875 37.625,81.15 42.5,76.275 42.5,66.75 41.75,66 41.75,63.25 42.25,62.75
GND on L2 "GND_L02_P010" (solid, remove dead copper, pour order 10): -0.075,28.25 cw(c0,28.25) -0.075,28.251 -0.075,34.075 cw(c0,34.075) -0.075,34.076 -0.075,70.925 -0.075,76.75 cw(c0,76.75) -0.075,76.751 -0.075,107.46 cw(c2.54,107.46) 2.54,110.075 167.46,110.075 cw(c167.46,107.46) 170.075,107.46 170.075,76.75 cw(c170,76.75) 170.075,76.749 170.075,70.925 cw(c170,70.925) 170.075,70.925 ccw(c170,70.925) 170.075,70.926 170.075,70.925 170.075,34.076 170.075,34.075 ccw(c170,34.075) 170.075,34.076 170.075,34.075 170.075,28.25 cw(c170,28.25) 170.075,28.249 170.075,28.25 ccw(c170,28.25) 170.075,28.25 170.075,2.54 cw(c167.46,2.54) 167.46,-0.075 2.54,-0.075 cw(c2.54,2.54) -0.075,2.54
GND on Top "GND_L01_P011" (solid, remove dead copper, pour order 11): -0.075,28.25 cw(c0,28.25) -0.075,28.251 -0.075,34.075 cw(c0,34.075) -0.075,34.076 -0.075,70.925 -0.075,76.75 cw(c0,76.75) -0.075,76.751 -0.075,107.46 cw(c2.54,107.46) 2.54,110.075 167.46,110.075 cw(c167.46,107.46) 170.075,107.46 170.075,76.75 cw(c170,76.75) 170.075,76.749 170.075,70.925 cw(c170,70.925) 170.075,70.925 ccw(c170,70.925) 170.075,70.926 170.075,70.925 170.075,34.076 170.075,34.075 ccw(c170,34.075) 170.075,34.076 170.075,34.075 170.075,28.25 cw(c170,28.25) 170.075,28.249 170.075,28.25 ccw(c170,28.25) 170.075,28.25 170.075,2.54 cw(c167.46,2.54) 167.46,-0.075 2.54,-0.075 cw(c2.54,2.54) -0.075,2.54
GND on L3 "GND_L03_P009" (solid, remove dead copper, pour order 9): -0.075,28.25 cw(c0,28.25) -0.075,28.251 -0.075,34.075 cw(c0,34.075) -0.075,34.076 -0.075,70.925 -0.075,76.75 cw(c0,76.75) -0.075,76.751 -0.075,107.46 cw(c2.54,107.46) 2.54,110.075 167.46,110.075 cw(c167.46,107.46) 170.075,107.46 170.075,76.75 cw(c170,76.75) 170.075,76.749 170.075,70.925 cw(c170,70.925) 170.075,70.925 ccw(c170,70.925) 170.075,70.926 170.075,70.925 170.075,34.076 170.075,34.075 ccw(c170,34.075) 170.075,34.076 170.075,34.075 170.075,28.25 cw(c170,28.25) 170.075,28.249 170.075,28.25 ccw(c170,28.25) 170.075,28.25 170.075,2.54 cw(c167.46,2.54) 167.46,-0.075 2.54,-0.075 cw(c2.54,2.54) -0.075,2.54
GND on Bottom "GND_L06_P006" (solid, remove dead copper, pour order 6): -0.075,28.25 cw(c0,28.25) -0.075,28.251 -0.075,34.075 cw(c0,34.075) -0.075,34.076 -0.075,70.925 -0.075,76.75 cw(c0,76.75) -0.075,76.751 -0.075,107.46 cw(c2.54,107.46) 2.54,110.075 167.46,110.075 cw(c167.46,107.46) 170.075,107.46 170.075,76.75 cw(c170,76.75) 170.075,76.749 170.075,70.925 cw(c170,70.925) 170.075,70.925 ccw(c170,70.925) 170.075,70.926 170.075,70.925 170.075,34.076 170.075,34.075 ccw(c170,34.075) 170.075,34.076 170.075,34.075 170.075,28.25 cw(c170,28.25) 170.075,28.249 170.075,28.25 ccw(c170,28.25) 170.075,28.25 170.075,2.54 cw(c167.46,2.54) 167.46,-0.075 2.54,-0.075 cw(c2.54,2.54) -0.075,2.54